# KiCad board data-center-rdimm-ddr5-tester.kicad_pcb (continued)
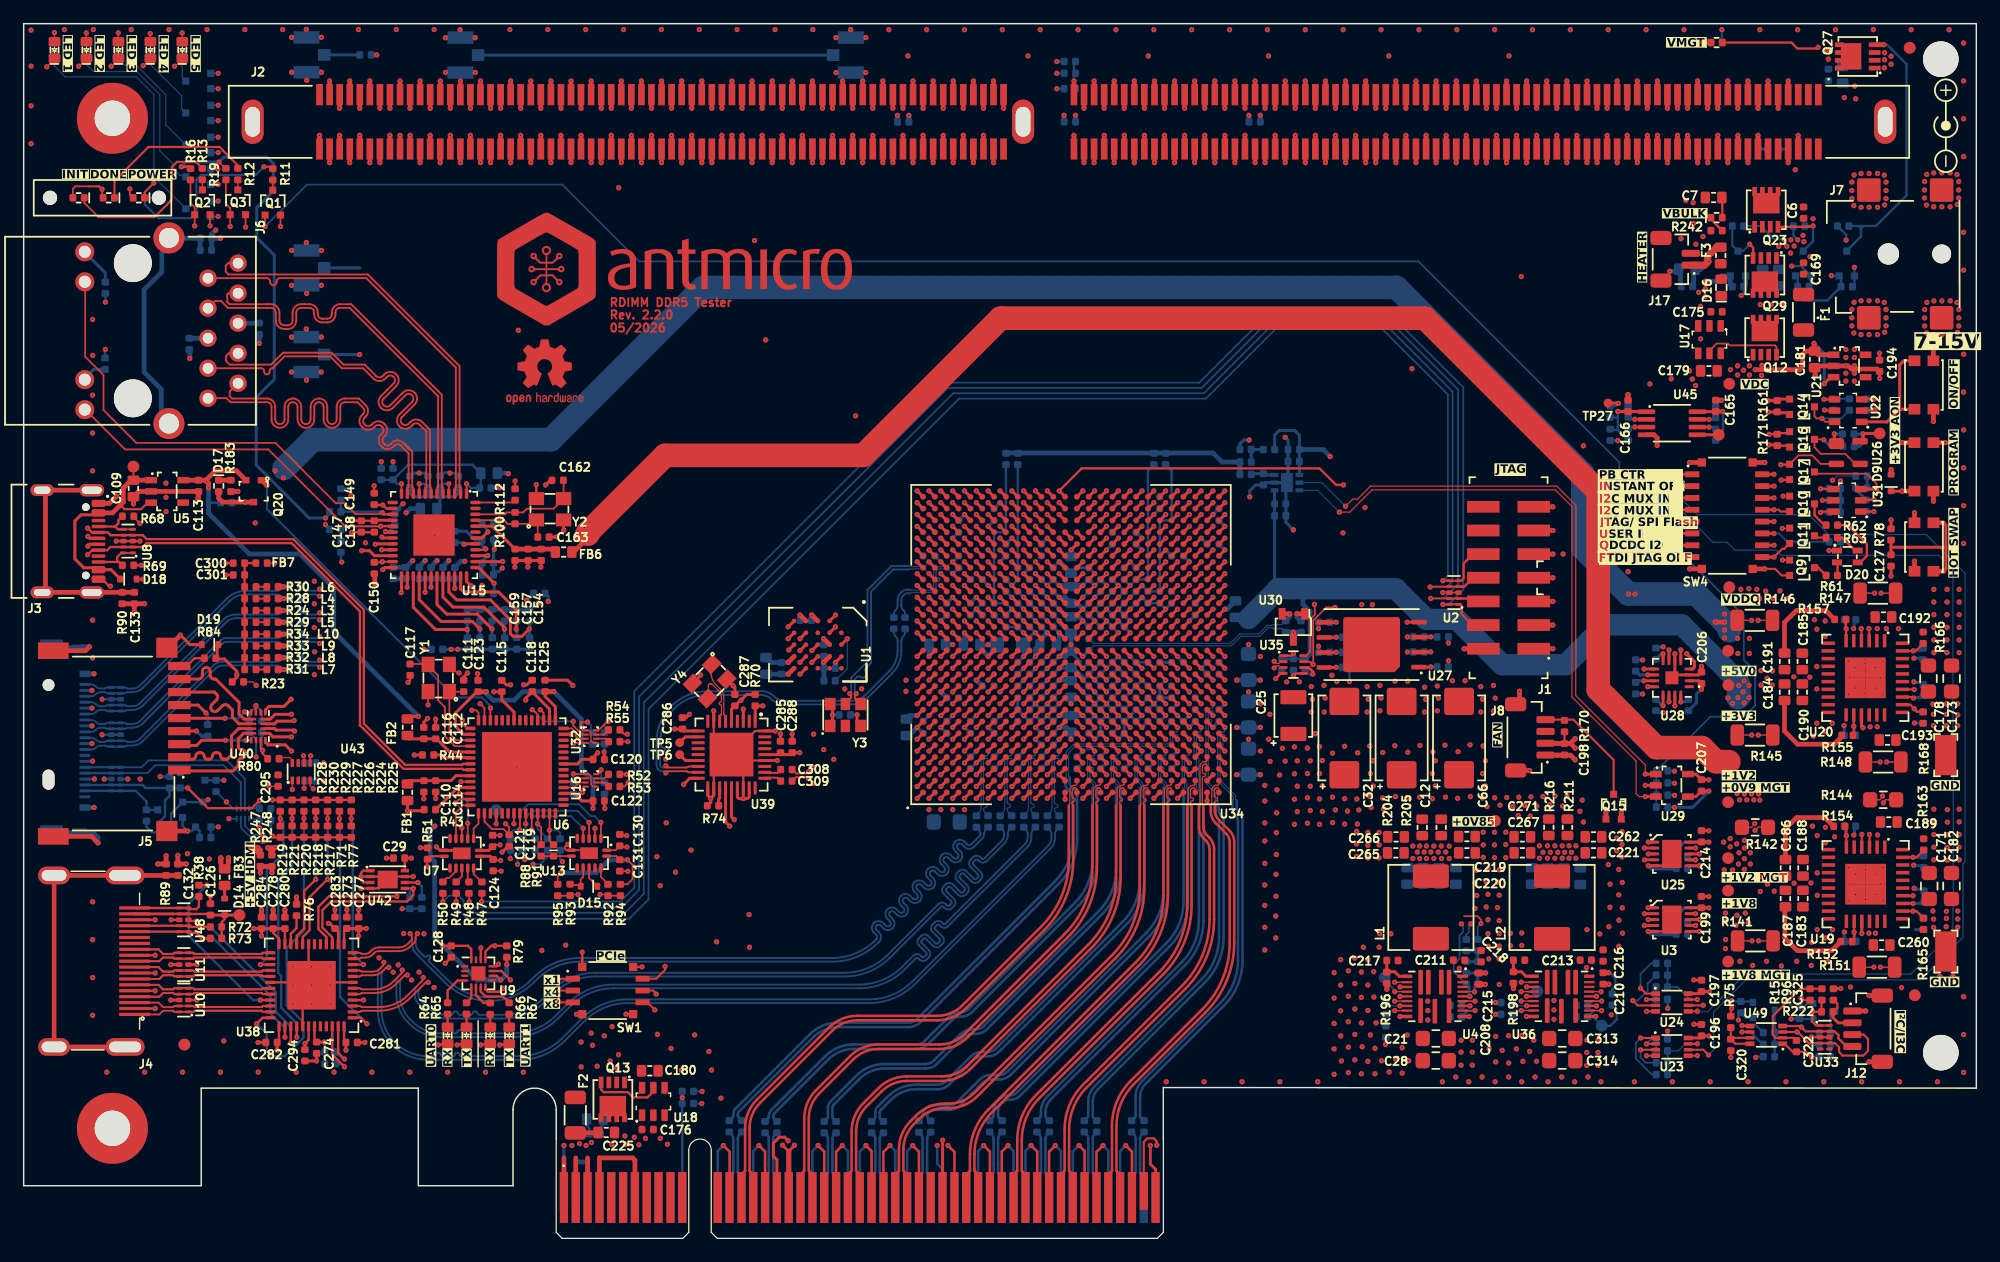
[diagram p0: board, top side]
## Routing (per net, layer and track width the routed paths; a pad name or vN(x,y) marks a point on that pad's centre or on a via; arc(x,y) is an arc through that point) (continued)
Net-(U4-I_{REF}): length 2.3
  Top w0.114: v1(122.64,20.05) U4.20
  Bottom w0.15: v1(122.64,20.05) 121.86,20.05 R189.2
Net-(U4-V_{DRV}): length 2.9
  Top w0.256: 115.19,23.51 115.19,22.52 115.2,22.53 115.87,22.53 116.25,22.15 U4.5
Net-(U6-REF): length 3.2
  Top w0.15: 37.72,40.64 U6.6
  Top w0.256: 34.66,40.87 35.26,40.87 35.48,40.64 37.72,40.64
Net-(U6-~{RESET}): length 3.7
  Top w0.256: 34.81,36.25 34.82,36.25 36.69,38.12 U6.11
Net-(U7-B1Y): length 1.5
  Top w0.15: 38.72,30.14 38.69,30.14 38.02,30.8 38.02,31.3
Net-(U7-B2Y): length 1.2
  Top w0.15: 37.52,31.3 37.52,30.24 37.62,30.14
Net-(U7-B3Y): length 1.4
  Top w0.15: 36.55,30.14 37.02,30.61 37.02,31.3
Net-(U7-B4): length 1.7
  Top w0.15: 35.42,30.14 35.76,30.47 35.95,30.47 36.53,31.05 36.53,31.3
Net-(U13-OE): length 2.6
  Top w0.15: 43.72,32.32 43.73,32.32 46.28,32.32
Net-(U15-ISET): length 3.2
  Top w0.15: 38.1,62.21 41.33,62.21
Net-(U15-XI): length 9.6
  Top w0.15: 45.62,64.08 Y2.3 44.78,61.69 42.53,61.69 42.21,61.38 40.82,61.38 40.66,61.21 38.1,61.21
Net-(U15-XO): length 6.1
  Top w0.15: 43.44,59.29 43.44,60.63 ; 42.76,60.41 40.9,60.41 40.59,60.71 38.1,60.71
Net-(U16-B1): length 1.2
  Top w0.15: U16.7 49.07,38.89 49.41,39.23
Net-(U16-B2): length 1.2
  Top w0.15: 49.41,38.21 49.08,38.54 U16.6
Net-(U25-ADDRSEL): length 2
  Top w0.256: U25.6 v1(141.6,31.5)
  Bottom w0.256: v1(141.6,31.5) 140.83,31.5 R215.2
Net-(U25-~{ALERT}): length 1.4
  Top w0.256: U25.7 v1(141.27,32)
  Bottom w0.256: v1(141.27,32) 140.87,32 R210.1
Net-(U28-IN1+): length 1.7
  Top w0.256: U28.11 v1(136.92,47.14)
  Bottom w0.256: R209.1 136.36,47.14 v1(136.92,47.14)
Net-(U28-IN2+): length 1.7
  Top w0.256: v1(138.53,45.03) 138.53,45.03 U28.13
  Bottom w0.256: R212.1 138.47,45.03 v1(138.53,45.03)
Net-(U28-IN3+): length 1.4
  Top w0.256: U28.8 v1(138.53,49.42)
  Bottom w0.256: R213.1 138.4,49.42 v1(138.53,49.42)
Net-(U28-IN4+): length 1.7
  Top w0.256: v1(137.24,47.64) 137.24,47.64 U28.10
  Bottom w0.256: v1(137.24,47.64) 136.54,47.64 R214.1
Net-(U28-~{PWRDN}): length 1.3
  Top w0.256: v1(140.02,45.35) 140.02,45.36 U28.16
  Bottom w0.198: R173.1 140.45,45.35 v1(140.02,45.35)
Net-(U30-OUT): length 2.2
  Top w0.4: U30.2 106.98,52.8 v1(106.99,52.79)
  Bottom w0.114: C205.2 106.33,51.9 TP3.1
  Bottom w0.4: v1(106.99,52.79) 106.99,52.56 C205.2
Net-(U32-B1): length 1.2
  Top w0.15: U32.7 49.02,42.59 49.42,42.99
Net-(U32-B2): length 1.2
  Top w0.15: 49.42,41.99 49.17,42.24 U32.6
Net-(U34L-MGTRREF_R): length 1.4
  Top w0.256: v1(99.5,45.2) U34.AD9
  Bottom w0.256: v1(99.5,45.2) U34.AD9
Net-(U36-ADDR): length 2.4
  Top w0.114: v1(133.34,19.26) U36.18
  Bottom w0.15: R199.2 132.69,19.25 133.33,19.25 v1(133.34,19.26)
Net-(U36-I_{REF}): length 2.3
  Top w0.114: v1(133.34,20.06) U36.20
  Bottom w0.15: v1(133.34,20.06) 132.57,20.06 132.22,19.7
Net-(U36-V_{DRV}): length 2.9
  Top w0.256: U36.5 126.94,22.16 126.56,22.54 125.89,22.54 R198.1 125.88,23.51
Net-(U38-HPD_SNK): length 14.7
  Top w0.201: R38.1 v1(15.49,29.86) ; U38.33 v1(20.01,20.15)
  Bottom w0.201: v1(20.01,20.15) 19.39,20.15 13.95,25.59 13.95,28.32 v1(15.49,29.86)
Net-(U38-VSADJ): length 2.6
  Top w0.201: R76.2 23.06,26.23 22.58,25.75 U38.22
Net-(U39-CS): length 1.5
  Top w0.256: R74.2 58.73,37.15 58.81,37.23 U39.21
Net-(U39-RATE0): length 1.8
  Top w0.256: TP5.1 55.92,42.4 U39.11
Net-(U39-RATE1): length 1.8
  Top w0.256: TP6.1 55.93,40.4 U39.15
Net-(U43-ST): length 1.5
  Top w0.1: U43.8 22.7,40.45 22.5,40.65 21.68,40.65 R80.1
Net-(U45-EN): length 1.8
  Top w0.256: U45.5 TP7.1
Net-(U49-EN): length 4.5
  Top w0.182: C320.1 144.37,16.95 U49.7 ; C320.1 144.63,16.45 U49.8 ; C320.1 R75.1
unconnected-(J2B-RFU-Pad231): length 1.2
  Top w0.38: 73.45,92.1 v1(73.45,90.95)
unconnected-(J2B-RFU-Pad232): length 1.2
  Top w0.38: 72.6,92.1 v1(72.6,90.95)
unconnected-(J9-Pad1): length 3
  Bottom w0.256: J9.1 28.4,82.05
unconnected-(J11-Pad7):
  vias: v1(5.82,40.35)
unconnected-(U28-GPIO/~{ALERT2}-Pad15): length 0.9
  Top w0.256: U28.15 v1(139.52,45.03)
unconnected-(U34B-IO_T1U_N12_64-PadAF20): length 0.7
  Top w0.256: U34.AF20 v1(101.5,57.2)
unconnected-(U34B-IO_T2U_N12_64-PadAE18): length 0.7
  Top w0.256: U34.AE18 v1(100.5,55.2)
unconnected-(U34B-IO_T3U_N12_64-PadAC16): length 0.7
  Top w0.256: U34.AC16 v1(98.5,53.2)
unconnected-(U34D-IO_T1U_N12_66-PadM24): length 0.7
  Top w0.256: U34.M24 v1(86.5,61.2)
unconnected-(U34D-IO_T2U_N12_66-PadG22): length 0.7
  Top w0.256: U34.G22 v1(81.5,59.2)
unconnected-(U34D-IO_T3U_N12_66-PadF22): length 0.7
  Top w0.256: U34.F22 v1(80.5,59.2)
unconnected-(U34E-IO_L11N_T1U_N9_GC_67-PadD18): length 0.7
  Top w0.256: U34.D18 v1(78.5,55.2)
unconnected-(U34E-IO_L11P_T1U_N8_GC_67-PadE18): length 0.7
  Top w0.256: U34.E18 v1(79.5,55.2)
unconnected-(U34E-IO_L13N_T2L_N1_GC_QBC_67-PadC19): length 0.7
  Top w0.256: U34.C19 v1(77.5,56.2)
unconnected-(U34E-IO_L13P_T2L_N0_GC_QBC_67-PadC18): length 0.7
  Top w0.256: U34.C18 v1(77.5,55.2)
unconnected-(U34E-IO_L19N_T3L_N1_DBC_AD9N_67-PadA23): length 0.7
  Top w0.256: U34.A23 v1(75.5,60.2)
unconnected-(U34E-IO_L19P_T3L_N0_DBC_AD9P_67-PadA22): length 0.7
  Top w0.256: U34.A22 v1(75.5,59.2)
unconnected-(U34E-IO_L24N_T3U_N11_67-PadB22): length 0.7
  Top w0.256: U34.B22 v1(76.5,59.2)
unconnected-(U34E-IO_T1U_N12_67-PadG19): length 0.7
  Top w0.256: U34.G19 v1(81.5,56.2)
unconnected-(U34E-IO_T2U_N12_67-PadB16): length 0.7
  Top w0.256: U34.B16 v1(76.5,53.2)
unconnected-(U34E-IO_T3U_N12_67-PadE22): length 0.7
  Top w0.256: U34.E22 v1(79.5,59.2)
unconnected-(U34F-IO_L5N_HDGC_AD7N_84-PadAC14): length 0.7
  Top w0.256: U34.AC14 v1(98.5,51.2)
unconnected-(U34F-IO_L5P_HDGC_AD7P_84-PadAC13): length 0.7
  Top w0.256: v1(98.5,49.2) U34.AC13
unconnected-(U34F-IO_L6P_HDGC_AD6P_84-PadAB15): length 0.7
  Top w0.256: U34.AB15 v1(97.5,52.2)
unconnected-(U34F-IO_L8N_HDGC_AD4N_84-PadAB14): length 0.7
  Top w0.256: U34.AB14 v1(97.5,51.2)
unconnected-(U34F-IO_L9N_AD3N_84-PadY16): length 0.7
  Top w0.256: U34.Y16 v1(95.5,53.2)
unconnected-(U34F-IO_L9P_AD3P_84-PadW16): length 0.7
  Top w0.256: U34.W16 v1(94.5,53.2)
unconnected-(U34F-IO_L11N_AD1N_84-PadAA13): length 0.7
  Top w0.256: U34.AA13 v1(96.5,49.2)
unconnected-(U34F-IO_L11P_AD1P_84-PadY13): length 0.7
  Top w0.256: U34.Y13 v1(95.5,49.2)
unconnected-(U34G-IO_L3N_AD9N_86-PadH9): length 0.7
  Top w0.256: U34.H9 v1(82.5,45.2)
unconnected-(U34G-IO_L4N_AD8N_86-PadG11): length 0.7
  Top w0.256: U34.G11 v1(81.5,47.2)
unconnected-(U34G-IO_L4P_AD8P_86-PadH11): length 0.7
  Top w0.256: U34.H11 v1(82.5,47.2)
unconnected-(U34G-IO_L7N_HDGC_AD5N_86-PadE10): length 0.7
  Top w0.256: U34.E10 v1(79.5,46.2)
unconnected-(U34G-IO_L7P_HDGC_AD5P_86-PadE11): length 0.7
  Top w0.256: U34.E11 v1(79.5,47.2)
unconnected-(U34G-IO_L8P_HDGC_AD4P_86-PadD11): length 0.7
  Top w0.256: U34.D11 v1(78.5,47.2)
unconnected-(U34G-IO_L11P_AD1P_86-PadB10): length 0.7
  Top w0.256: U34.B10 v1(76.5,46.2)
unconnected-(U34G-IO_L12N_AD0N_86-PadB11): length 0.7
  Top w0.256: U34.B11 v1(76.5,47.2)
unconnected-(U34G-IO_L12P_AD0P_86-PadC11): length 0.7
  Top w0.256: U34.C11 v1(77.5,47.2)
unconnected-(U34H-IO_L3N_AD13N_87-PadG14): length 0.7
  Top w0.256: U34.G14 v1(81.5,51.2)
unconnected-(U34H-IO_L3P_AD13P_87-PadH14): length 0.7
  Top w0.256: U34.H14 v1(82.5,51.2)
unconnected-(U34H-IO_L4N_AD12N_87-PadJ14): length 0.7
  Top w0.256: U34.J14 v1(83.5,51.2)
unconnected-(U34H-IO_L4P_AD12P_87-PadJ15): length 0.7
  Top w0.256: U34.J15 v1(83.5,52.2)
unconnected-(U34H-IO_L7N_HDGC_87-PadE12): length 0.7
  Top w0.256: U34.E12 v1(79.5,48.2)
unconnected-(U34H-IO_L8N_HDGC_87-PadD13): length 0.7
  Top w0.256: U34.D13 v1(78.5,49.2)
unconnected-(U34I-MGTREFCLK1N_224-PadY6): length 0.7
  Top w0.256: U34.Y6 v1(95.5,42.2)
unconnected-(U34I-MGTREFCLK1P_224-PadY7): length 0.7
  Top w0.256: U34.Y7 v1(95.5,43.2)
unconnected-(U34J-MGTREFCLK0N_225-PadV6): length 0.7
  Top w0.256: U34.V6 v1(93.5,42.2)
unconnected-(U34J-MGTREFCLK0P_225-PadV7): length 0.7
  Top w0.256: U34.V7 v1(93.5,43.2)
unconnected-(U34J-MGTREFCLK1N_225-PadT6): length 0.7
  Top w0.256: U34.T6 v1(91.5,42.2)
unconnected-(U34J-MGTREFCLK1P_225-PadT7): length 0.7
  Top w0.256: U34.T7 v1(91.5,43.2)
unconnected-(U34K-MGTYRXN3_226-PadF1): length 0.7
  Top w0.256: U34.F1 v1(80.5,37.2)
unconnected-(U34K-MGTYRXP3_226-PadF2): length 0.7
  Top w0.256: U34.F2 v1(80.5,38.2)
unconnected-(U34L-NC-PadA3): length 0.7
  Top w0.256: U34.A3 v1(75.5,39.2)
unconnected-(U34L-NC-PadA4): length 0.7
  Top w0.256: U34.A4 v1(75.5,40.2)
unconnected-(U34L-NC-PadB1): length 0.7
  Top w0.256: U34.B1 v1(76.5,37.2)
unconnected-(U34L-NC-PadB2): length 0.7
  Top w0.256: U34.B2 v1(76.5,38.2)
unconnected-(U34L-NC-PadB6): length 0.7
  Top w0.256: U34.B6 v1(76.5,42.2)
unconnected-(U34L-NC-PadB7): length 0.7
  Top w0.256: U34.B7 v1(76.5,43.2)
unconnected-(U34L-NC-PadC3): length 0.7
  Top w0.256: U34.C3 v1(77.5,39.2)
unconnected-(U34L-NC-PadC4): length 0.7
  Top w0.256: U34.C4 v1(77.5,40.2)
unconnected-(U34L-NC-PadD1): length 0.7
  Top w0.256: U34.D1 v1(78.5,37.2)
unconnected-(U34L-NC-PadD2): length 0.7
  Top w0.256: U34.D2 v1(78.5,38.2)
unconnected-(U34L-NC-PadD6): length 0.7
  Top w0.256: U34.D6 v1(78.5,42.2)
unconnected-(U34L-NC-PadD7): length 0.7
  Top w0.256: U34.D7 v1(78.5,43.2)
unconnected-(U34L-NC-PadE4): length 0.7
  Top w0.256: U34.E4 v1(79.5,40.2)
unconnected-(U34L-NC-PadE5): length 0.7
  Top w0.256: U34.E5 v1(79.5,41.2)
unconnected-(U34L-NC-PadF6): length 0.7
  Top w0.256: U34.F6 v1(80.5,42.2)
unconnected-(U34L-NC-PadF7): length 0.7
  Top w0.256: U34.F7 v1(80.5,43.2)
unconnected-(U34L-NC-PadH6): length 0.7
  Top w0.256: U34.H6 v1(82.5,42.2)
unconnected-(U34L-NC-PadH7): length 0.7
  Top w0.256: U34.H7 v1(82.5,43.2)
unconnected-(U34L-NC-PadK6): length 0.7
  Top w0.256: U34.K6 v1(84.5,42.2)
unconnected-(U34L-NC-PadK7): length 0.7
  Top w0.256: U34.K7 v1(84.5,43.2)

## Copper pours and planes (outline as drawn; the poured copper is in the pictures)
+0V9_MGTAVCC on Top: 143.43,38.55 156.38,38.55 156.38,36.03 143.43,36.03
+0V9_MGTAVCC on In8.Cu: 131.1,34.24 127.7,37.64 110.2,37.62 103.43,44.4 99.96,44.4 96.91,41.35 83.3,41.35 83.3,43.9 88.78,43.9 89.63,43.05 92.8,43.06 92.8,45.1 95.8,45.1 98.8,48.1 128.4,48.1 137.9,38.54 147,38.51 147,34.24
+0V85 on Top: 132.85,34.77 103.92,34.77 102.51,36.19 102.51,49.51 103.49,50.49 105.95,50.49 105.96,45.06 107.03,44.01 124.75,44.02 124.74,38.86 125.06,38.54 132.85,38.55
+0V85 on Bottom: 132.15,37.52 132.15,34.78 106.29,34.78 102.85,38.21 102.85,49.97 103.38,50.5 104.62,50.5 105.31,49.82 105.32,47.21 108.3,44.17 123.44,44.18 130.1,37.52
+0V85 on Bottom: 77.7,34.55 77.7,36.5 76.3,36.5 76.3,34.55
+0V85 on In2.Cu: 85,49.7 86,49.7 87,50.7 87,51.55 84.28,51.55 84.28,52.43 88.27,52.41 89.15,53.3 91.5,53.3 91.5,52.1 90.85,52.1 90.47,51.72 90.47,48.82 91.1,48.2 92.5,48.2 93.5,47.2 93.5,46.2 94.5,45.2 96.5,45.2 97.5,44.2 101.5,44.2 126.75,44.2 133.1,37.85 133.1,28.65 131.5,27.05 110.2,27.05 104.45,21.3 92.85,21.3 87.9,26.25 87.9,44.8 87.5,45.2 84.85,45.2 84.5,45.55 84.5,49.2
+0V85 on In4.Cu, In6.Cu, In9.Cu: 75.53,54.97 89.11,54.94 89.49,54.57 94.12,54.57 95.5,53.2 98.5,53.2 99.5,52.2 131.43,52.2 131.39,23.88 126.11,19.52 75.53,19.52
+1V2 on Top: 143.41,41.32 156.21,41.32 156.2,39.45 156.62,39.04 156.62,38.7 143.41,38.7
+1V2 on In4.Cu: 48.15,58.2 44.75,54.8 31.55,54.8 27.26,59.09 23.25,59.08 21.95,57.78 21.94,31.39 13.33,31.39 13.33,63.2 15.33,65.2 43.65,65.2 48.15,60.7
+1V2_MGTAVTT on Top: 145.54,35.77 145.54,33.83 146.22,33.15 146.22,30.06 143.41,30.06 143.41,35.77
+1V2_MGTAVTT on In8.Cu: 146.98,30.1 146.98,34.15 130.87,34.16 127.54,37.49 110.17,37.49 103.35,44.38 99.73,44.38 99.24,43.89 99.24,43.62 97,41.38 83.25,41.38 83.25,43.98 74.6,43.98 74.6,37.49 87.95,24.18 143.4,24.18 143.41,30.1
+1V8 on Top: 146.22,26.2 145.6,26.2 145.42,26.03 145.42,24.16 143.4,24.16 143.4,29.95 146.22,29.95
+1V8 on In8.Cu: 90.5,56.2 90.5,57.8 90.3,58 84.4,58 83.3,59.1 80.5,59.1 79.04,60.57 79.04,63.18 78.12,64.1 72.52,64.1 66.47,70.23 33.83,70.23 25.15,61.55 25.15,53.15 19.65,47.65 19.65,34.02 23.19,30.48 41.45,30.35 41.5,35.9 41.51,45.08 42.72,46.3 52.3,46.3 52.94,46.94 68.9,46.93 68.9,49.59 92.45,49.59 92.85,49.19 92.85,45.2 95.61,45.2 98.61,48.21 128.53,48.16 138.03,38.65 147.08,38.65 147.11,29.94 143.51,29.94 143.51,24.16 165.02,24.17 165.02,45.12 144.05,45.12 143.38,45.8 143.39,53.54 139,57.92 105.82,57.92 102.4,54.5 92.2,54.5
+1V8_MGTVCCAUX on Top: 143.41,23.94 155.65,23.94 155.65,21.83 143.41,21.83
+1V8_MGTVCCAUX on In8.Cu: 92.75,43.1 92.75,49.15 92.46,49.44 69.06,49.44 69.06,25.97 82.48,12.58 165.06,12.83 165.05,23.99 87.71,23.99 74.43,37.18 74.43,44 88.77,44 89.68,43.1
+3V3 on Top: 155.92,100.46 157.24,100.46 157.67,100.9 158.05,100.9 158.05,98.9 157.89,98.74 155.92,98.74
+3V3 on Top: 146.17,47.41 146.17,43.6 145.57,43.6 145.37,43.4 145.37,41.59 143.41,41.59 143.41,47.41
+3V3 on Bottom: 94.82,51 101.69,50.99 102.2,51.5 103.9,51.5 104.57,52.22 104.57,52.57 104.65,52.65 104.1,53.2 95.5,53.2 94.82,52.52
+3V3 on Bottom: 56.55,44.85 59.75,44.85 60.4,45.5 60.85,45.5 61.8,44.55 68.58,44.55 69.53,43.6 71.1,43.6 76.7,49.2 78.5,49.2 78.9,49.6 78.9,51.25 79.85,52.2 81.45,52.2 81.6,52.35 81.6,52.95 81.8,53.15 82.5,53.15 82.65,53 82.65,51.35 82.15,50.85 80.65,50.85 80.35,50.55 80.35,49.35 82.5,47.2 82.5,45.2 81.5,44.2 75.5,44.2 73.05,41.75 73.05,35.45 54.9,35.45 54.91,43.2
+3V3 on In6.Cu: 46.28,59.62 46.28,47.75 45.32,46.8 34.25,46.8 30.82,43.38 30.82,35.6 33.53,32.9 43.97,32.9 44,32.92 44.88,32.05 44.88,28 60.53,12.35 60.53,9.85 60.1,9.42 49.1,9.42 44.9,13.62 44.9,13.9 1.1,13.9 0.1,12.9 0.03,12.97 0.03,65.2 40.7,65.2
+3V3 on In8.Cu: 0,102.7 165,102.7 165,0 0.11,0
+3V3_AON on Top: 157.26,73.98 155.13,73.98 155.13,75.29 157.26,75.29
+5V on Top: 145.37,53.3 145.37,51.35 145.52,51.2 146.17,51.2 146.17,47.48 143.41,47.48 143.41,53.3
+12V on Top: 48.32,9.45 49.07,9.45 49.07,7.8 48.22,6.95 48.22,5.97 45.03,5.97 45.03,9.77 48.02,9.77
+12V on Bottom: 48.22,5.97 45.43,5.97 45.43,10.88 48.22,10.88
/DDR5 RDIMM/VIN_BULK on Top: 151.37,97.6 151.37,95.43 150.52,94.58 150.52,91.25 148.34,89.02 142.66,89.02 142.66,86.64 150.75,86.67 150.74,88.11 153.42,90.8 153.42,96.95 152.78,97.6
/DDR5 RDIMM/VIN_MGMT on Top: 150.24,95.8 150.24,97.6 151.19,98.55 155.3,98.55 155.38,98.62 155.38,101.25 150.1,101.25 149.68,100.82 149.68,95.81 149.66,95.8
/DDR5 RDIMM/VIN_MGMT on Bottom: 154.45,98.37 154.45,100.77 154.05,101.17 151.6,101.17 151.07,100.65 151.07,98.72 151.43,98.37
/HDMI + SD Card/VCCB on Top: 22.95,38.3 22.95,39.05 22,39.05 21.8,38.8 19,38.8 19,40.65 19.45,41.2 19.45,42.5 19.8,42.5 19.8,39.85 22.95,39.85 22.95,40.65 23.4,40.65 23.4,38.3
/Supply/12V_aux on Top: 163.88,80.25 163.88,75.9 152.45,75.9 152.2,76.15 152.19,78.2 151.95,78.45 149.3,78.45 148.95,78.8 148.95,80.85 150,81.9 151.05,81.9 152.7,80.25
/Supply/12V_aux on Bottom: 154.09,79.24 154.39,79.54 163.39,79.54 163.8,79.13 163.8,76.38 163.49,76.07 154.45,76.07 154.09,76.43
/Supply/12V_aux_fused on Top: 149.27,78.2 151.9,78.2 152.05,78.05 152.05,76.15 151.9,76 149.9,76 149.85,76.05 149.3,76.05 148.8,75.55 144.22,75.55 142.95,76.82 142.95,80.1 144.15,80.1 145.7,78.55 148.92,78.55
/Supply/12V_PCIE_fused on Top: 48.32,12.55 48.79,12.09 51.12,12.09 51.52,11.65 52.66,11.65 52.66,8.95 51.62,8.95 51.02,9.59 48.42,9.59 48.12,9.89 45.02,9.89 45.02,13.75 48.32,13.75
/Supply/DC-DC AUX, MGT/1V8_local on Top: 151.22,28.83 151.52,28.63 153.22,28.63 153.22,27.33 151.62,27.33 149.92,24.13 147.22,24.13 147.22,26 147.02,26.2 146.32,26.2 146.32,28.83
/Supply/DC-DC IO/1V2_local on Top: 157.62,43.06 157.62,41.74 158.21,41.16 158.21,39.39 157.62,38.79 157.62,38.73 160.99,38.73 160.99,43.98 160.29,43.98 159.39,44.88 156.89,44.88 156.89,43.7
/Supply/DC-DC IO/3V3_local on Top: 151.19,46.28 151.49,46.08 153.19,46.08 153.19,44.78 151.59,44.78 149.89,41.58 147.19,41.58 147.2,43.4 147.02,43.6 146.24,43.6 146.24,46.28
/Supply/DC-DC IO/5V_local on Top: 151.19,48.58 151.49,48.78 153.19,48.78 153.19,50.08 151.59,50.08 149.89,53.28 147.17,53.28 147.18,51.35 147.02,51.2 146.25,51.2 146.25,48.58
/Supply/DC-DC IO/VDDQ_local on Top: 157.57,52.08 157.57,55.58 160.99,55.58 160.99,50.78 160.29,50.78 159.39,49.88 156.89,49.88 156.89,51.58
/Supply/DC-DC VCCINT/0V85_REG0 on Top: 115.16,26.91 122.15,26.91 122.15,34.77 115.9,34.77 115.9,31.97 115.16,31.23
/Supply/DC-DC VCCINT/0V85_REG0 on Bottom: 116.26,30.64 121.63,30.64 121.63,34.76 116.24,34.76 116.24,30.66
/Supply/DC-DC VCCINT/0V85_REG1 on Top: 125.4,26.9 132.91,26.9 132.91,31.56 132.85,31.62 132.85,34.77 126.43,34.77 126.43,31.8 125.4,30.77
/Supply/DC-DC VCCINT/0V85_REG1 on Bottom: 126.81,30.64 132.19,30.64 132.19,34.76 126.78,34.76 126.78,30.66
GND on Top: 163.85,90.55 153.9,90.55 151.4,88.05 151.4,86.65 151.28,86.53 150.08,86.53 150.08,85.94 150.18,85.85 151.45,85.85 151.45,84.7 149.8,83.05 149.8,82.25 150,82.05 151,82.05 155.2,86.25 163.6,86.25 163.85,86.5
GND on Top: 155.05,75.32 155.05,72.25 152.43,72.25 152.43,75.32
GND on Top: 121.15,21.35 122.08,21.35 122.5,21.77 122.98,21.77 123.03,21.72 123.03,21.24 122.98,21.19 122.56,21.19 122.52,21.16 121.18,21.16 121.14,21.19 121.14,21.35
GND on Top: 132.94,34.77 135.5,34.77 135.62,34.66 135.62,18.6 133.76,18.6 133.76,20.59 134.36,21.19 134.35,24.65 131.57,24.65 131.22,25 131.22,26.77 133.09,26.77 133.09,31.62 132.94,31.76
GND on Top: 120.63,24.89 120.64,26.77 122.19,26.77 122.18,31.77 122.19,31.81 122.19,34.77 126.34,34.77 126.34,31.78 125.37,30.81 125.37,26.81 127.13,26.81 127.13,23.98 125.58,23.98 125.59,22.45 126.2,21.83 126.2,18.92 126.9,18.22 128.11,18.22 128.12,18.21 128.12,14.39 128.11,14.38 123.18,14.38 123.18,20.76 123.68,21.26 123.68,22.44 123.22,22.91 123.22,24.72 120.81,24.72
GND on Top: 124.75,44.27 124.75,46.95 124.57,47.12 106.07,47.12 106.07,45.27 107.07,44.27
GND on Top: 142.6,86.73 144.52,86.73 144.52,80.63 142.75,80.63 142.75,71.75 137.45,71.75 137.45,89.02 142.59,89.02
GND on Top: 58.54,18.57 58.51,13.84 57.12,12.45 57.12,8.6 56.42,8.6 55.82,8 55.82,5.97 48.32,5.97 48.32,6.9 49.22,7.8 49.22,9.45 50.92,9.45 51.62,8.77 52.72,8.77 52.72,12.15 54.68,12.15 54.68,13.4 53.17,13.4 53.18,15.07 52.27,16 52.27,18.58 52.32,18.57
GND on Top: 149.99,48.48 149.99,53.23 156.87,53.23 156.87,51.68 159.79,51.68 159.79,47.18 163.99,47.18 163.99,37.53 161.12,37.53 161.12,43.68 157.39,43.68 157.39,41.58 149.99,41.58 149.99,46.38 146.24,46.38 146.24,48.48
GND on Top: 130,17.69 130.19,17.87 130.19,20.41 130.08,20.51 129.26,20.51 129.06,20.71 129.06,22.57 128.9,22.73 128.39,22.73 127.98,23.14 127.98,23.69 127.81,23.85 126.56,23.85 126.56,23.11 127.17,22.43 128.07,22.43 128.2,22.29 128.2,18.63 128.04,18.47 125.55,18.47 125.51,18.44 125.51,14.38 130.01,14.38
GND on Top: 121.47,23.83 121.47,23.2 121.11,22.84 121.11,22.77 121.25,22.63 121.75,22.63 122.06,22.94 122.06,23.83
GND on Top: 131.84,21.36 132.77,21.36 133.19,21.78 133.68,21.78 133.72,21.73 133.72,21.25 133.68,21.2 133.25,21.2 133.22,21.16 131.88,21.16 131.84,21.2 131.84,21.35
GND on Top: 115.78,34.76 115.78,31.99 115.05,31.25 115.04,26.76 116.38,26.76 116.38,24.09 114.63,24.09 114.63,19.84 116.13,18.34 116.13,12.81 109.94,12.81 109.96,12.8 109.96,34.76
GND on Top: 149.82,31.03 149.82,35.78 157.32,35.78 157.32,34.23 159.82,34.23 159.82,29.73 164.02,29.73 164.02,21.7 161.02,21.7 161.02,26.23 156.75,26.23 156.75,24.2 150.22,24.2 150.22,28.93 146.32,28.93 146.32,31.03
GND on Top: 119.28,17.66 119.47,17.85 119.47,20.38 119.36,20.49 118.54,20.49 118.34,20.69 118.34,22.55 118.18,22.71 117.46,22.71 116.34,23.83 115.84,23.83 115.84,23.09 116.45,22.41 117.35,22.41 117.48,22.27 117.48,18.61 117.32,18.45 114.83,18.45 114.79,18.41 114.79,12.81 119.29,12.81
GND on Top: 132.19,23.85 132.19,23.37 131.83,23.01 131.83,22.79 131.97,22.66 132.17,22.66 132.78,23.26 132.78,23.85
GND on Top: 12.82,64.45 12.82,61.45 12.47,61.1 11.77,61.1 11.47,61.4 11.47,62.85 10.27,62.85 10.27,63.45 11.47,63.45 11.47,64.45 11.72,64.7 12.57,64.7
GND on Bottom: 146.44,80.93 148.82,80.93 148.83,80.92 148.83,80.26 149.07,80.02 149.24,80.02 149.41,79.84 149.41,78.4 148.53,77.52 147.37,77.52 146.44,78.45
GND on Bottom: 116.13,34.76 116.13,30.49 121.76,30.49 121.76,34.77 126.66,34.77 126.66,30.49 132.28,30.49 132.28,34.42 132.28,37.62 130.2,37.62 123.55,44.28 108.34,44.29 106.44,46.19 106.44,47.29 135.63,47.29 135.63,12.86 135.61,12.84 109.96,12.84 109.91,12.89 109.91,34.76
GND on Bottom: 51.12,5.97 48.32,5.97 48.32,10.88 51.12,10.88
GND on Bottom: 102.22,47.85 104.7,47.85 104.7,46.62 102.82,46.62 102.82,38.85 102.22,38.85
GND on Bottom: 159.82,43.25 146.55,43.25 146.55,51.75 159.82,51.75
GND on Bottom: 79.7,34.55 79.7,36.5 78.3,36.5 78.3,34.55
GND on Bottom: 102.22,39.8 104.75,39.8 104.75,38.47 102.6,38.47 102.22,38.85
GND on Bottom: 154.47,98.22 155.65,97.05 155.65,95.72 155.32,95.4 152.3,95.4 151.28,96.42 151.28,98.05 151.45,98.22
GND on Bottom: 102.28,43.82 104.75,43.82 104.75,42.6 102.28,42.6
GND on Bottom, In4.Cu: 159.82,25.73 147.18,25.73 146.5,26.4 146.5,34.23 159.82,34.23
GND on In1.Cu, In3.Cu, In5.Cu, In7.Cu, In10.Cu: 165,-0.3 0,-0.05 0,102.7 165,102.7
GND on In2.Cu: 157.32,48.82 157.32,44.88 156.93,44.47 155.18,44.47 152.5,41.8 152.5,33.6 153.6,32.5 156.88,32.5 157.65,31.72 157.65,28.88 155.57,26.8 154.4,26.8 154.18,26.57 154.18,24.25 152.62,22.7 145.93,22.7 144.47,24.15 144.47,36.42 142.35,38.55 142.35,53.47 143.45,54.57 148.65,54.57 153.78,49.45 156.7,49.45
GND on In4.Cu: 146.55,48 146.55,43.72 147.3,42.97 157.3,42.97 158.25,43.92 158.25,45.88 159.15,46.77 159.85,46.77 160.1,47.02 160.1,51.22 159.52,51.8 158.32,51.8 157.75,51.22 157.15,51.22 156.88,51.5 156.88,51.67 156.75,51.8 156.45,51.8 156.35,51.7 156.35,51.35 156.23,51.22 155.5,51.22 154.9,51.82 150.38,51.82
GND on In6.Cu: 146.38,29.1 147.9,27.57 147.9,24.17 152.43,19.65 165,19.65 165.05,19.7 165.05,55.7 164.95,55.8 152.28,55.8 151.5,55.02 151.5,53.72 148.62,50.85 147.12,50.85 146.38,50.1
GND on In9.Cu: 21.58,83.95 21.58,72.77 25.03,69.32 38.55,69.32 51.15,81.92 51.15,88.6 50.6,89.15 26.78,89.15
VDDQ on Top: 155.79,53.5 143.4,53.5 143.4,55.57 155.79,55.57
VDDQ on In8.Cu: 17.85,31.97 17.84,52.72 21.78,56.66 21.8,67.85 33.38,79.3 73.9,79.34 73.9,70.32 33.75,70.32 25.07,61.65 25.07,53.23 19.54,47.68 19.55,34.02 21.58,31.98
VDDQ on In8.Cu: 66.26,68.09 67.26,68.09 71.3,64 75.74,64 80.54,59.2 83.3,59.2 84.44,58.06 90.3,58.06 90.56,57.8 90.56,56.25 91.7,55.11 91.7,54.9 92.1,54.5 102.1,54.5 105.65,58.05 139.05,58.05 143.51,53.58 149.6,53.57 149.6,65.88 143.23,65.86 143.24,70.13 149.64,70.15 149.6,97.87 63.9,97.87 63.9,70.45
/Debug FTDI + VNA/FTDI_3V3 on In6.Cu: 45.32,46.8 50.38,41.75 50.38,35.7 52.3,33.79 52.29,32.9 33.53,32.9 30.82,35.6 30.82,43.38 34.25,46.8
/HDMI + SD Card/HDMI_VDD on In8.Cu: 17.85,31.92 21.65,31.92 23.17,30.4 23.18,30.39 27.55,30.39 27.58,30.36 27.58,25.97 28.9,24.65 28.9,15.77 28.76,15.63 19.43,15.63 19.07,15.99 19.07,27.16 17.85,28.38
/Supply/DC-DC AUX, MGT/MGTAVCC_local on Top: 157.9,34.94 157.9,38.58 161.02,38.58 161.02,33.28 160.32,33.28 159.42,32.38 156.92,32.38 156.92,34.08
/Supply/DC-DC AUX, MGT/MGTAVCCAUX_local on Top: 157.22,25.27 157.22,24.17 157.55,23.85 157.54,21.89 161.02,21.89 161.02,26.58 160.32,26.58 159.42,27.48 156.92,27.48 156.92,25.52
/Supply/DC-DC AUX, MGT/MGTAVTT_local on Top: 151.22,31.08 151.52,31.28 153.22,31.28 153.22,32.58 151.62,32.58 149.92,35.78 147.05,35.78 147.05,33.86 146.32,33.13 146.32,31.08
/Supply/DC-DC VCCINT/V_{CC} on Top: 131.84,21.76 132.59,21.76 132.88,22.04 132.88,22.5 133.12,22.74 133.67,22.74 133.74,22.68 133.74,22 133.62,21.89 133.28,21.89 132.94,21.56 131.84,21.56
/Supply/DC-DC VCCINT/V_{CC} on Top: 121.15,21.75 121.9,21.75 122.18,22.03 122.18,22.14 122.78,22.74 122.97,22.74 123.04,22.67 123.04,21.99 122.93,21.88 122.58,21.88 122.25,21.55 121.15,21.55
VDC on Top: 164.02,47.38 157.93,47.38 157.93,48.67 160.02,48.67 160.02,49.27 161.12,49.27 161.12,55.55 164.02,55.55
VDC on Top: 164.02,29.88 157.93,29.88 157.93,31.17 160.02,31.17 160.02,31.4 161.12,32.5 161.12,37.38 164.02,37.38
VDC on Top: 52.17,15.95 52.72,15.4 52.72,12.25 51.77,12.25 51.37,12.6 49.17,12.6 49.17,13.82 45.03,13.82 45.03,15.57 47.93,18.52 52.17,18.52
VDC on Top: 120.51,23.83 120.98,23.83 121.02,23.79 121.02,18.61 121.15,18.48 122.89,18.48 123.12,18.25 123.12,14.31 130.38,14.31 130.38,12.78 119.33,12.78 119.33,17.63 119.55,17.85 119.55,20.38 119.66,20.5 119.99,20.5 120.1,20.61 120.1,22.77 120.51,23.19
VDC on Top: 131.23,23.85 131.7,23.85 131.74,23.81 131.74,18.63 131.87,18.5 135.62,18.5 135.62,12.8 130.05,12.8 130.05,17.66 130.27,17.87 130.27,20.41 130.38,20.52 130.71,20.52 130.82,20.63 130.82,22.79 131.23,23.2
VDC on Top: 149.44,73.7 149.44,71.74 142.59,71.74 142.59,75.38 147.82,75.38 147.82,73.7
VDC on Top: 145.8,86.25 147.95,86.25 147.95,85.05 148.1,84.9 148.7,84.9 148.85,85.05 150.75,85.05 150.8,85 150.8,84.2 149.05,82.45 149,82.45 148.8,82.25 146.6,82.25 146.55,82.3 146.55,84 145.8,84.75
VDC on Bottom: 130.09,17.76 133.53,17.76 133.56,17.74 133.56,12.84 122.81,12.84 122.81,14.29 130.06,14.29 130.06,17.74
VDC on Bottom: 146.44,81.53 148.82,81.53 148.82,81.85 149.65,81.85 149.9,81.85 149.9,83.82 150.05,83.97 150.26,83.97 150.35,84.06 150.35,84.52 149.82,85.05 147.47,85.05 146.44,84.02
